# KiCad board stereoBoy_MGB.kicad_pcb
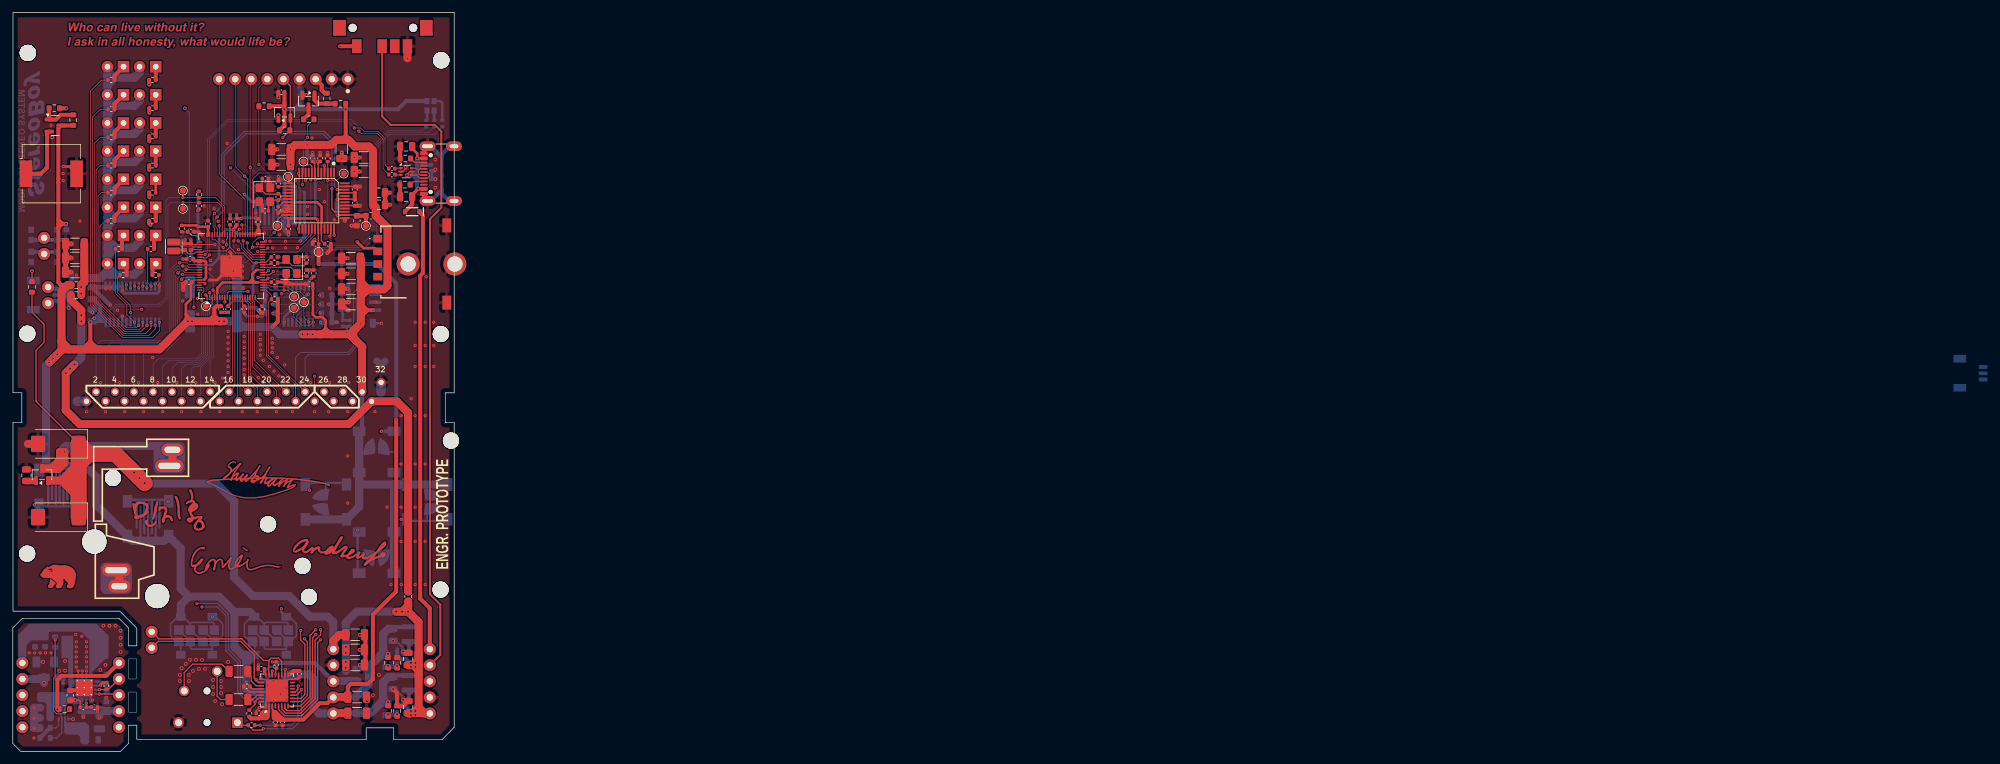
[diagram p0: board, top side]
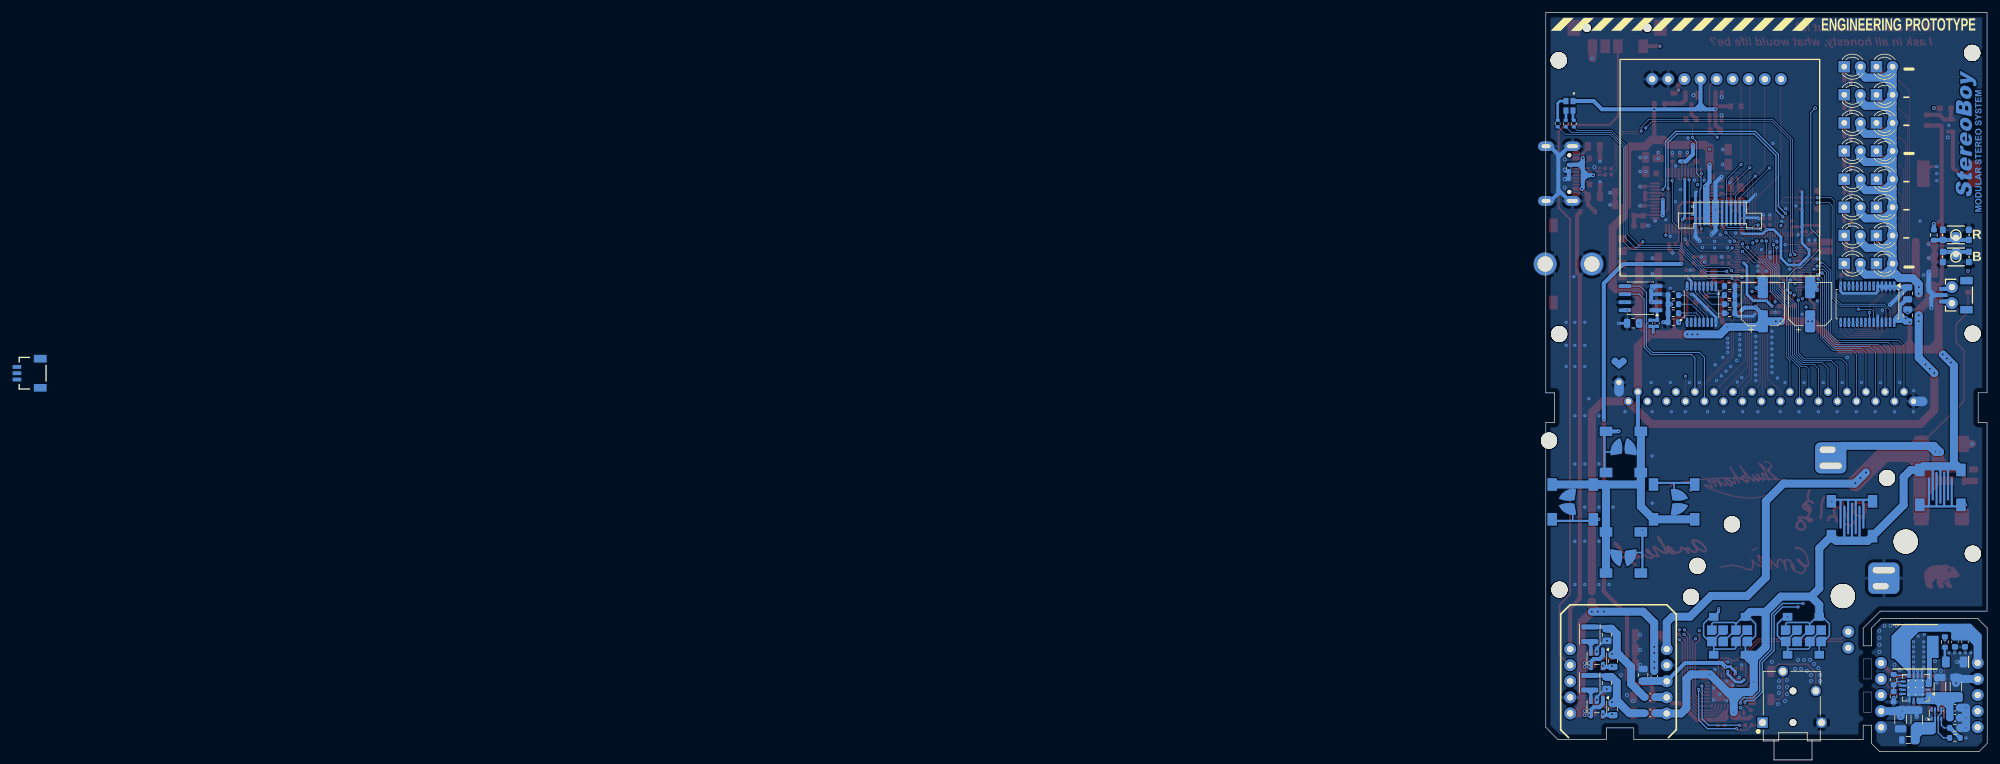
[diagram p1: board, bottom side, seen from below]

Outline 69.67 x 116.7 mm; copper layers: Top, In1.Cu, In2.Cu, Bottom. Coordinates in mm from the lower left corner of the outline.
Outline path: rectangle 18.27,14.61 19.54,11.43 ; rectangle 18.27,9.37 19.54,6.19 ; 0,19.5 0,1.25 1.25,0 17,0 18.25,1.25 18.25,4.13 19.57,4.13 19.57,1.9 55.78,1.9 55.78,3.71 60.12,3.71 60.12,1.9 67.8,1.9 69.67,3.81 69.67,51.93 68.27,51.93 68.27,56.63 69.67,56.63 69.67,116.7 0.02,116.7 0.02,56.65 1.42,56.65 1.42,51.95 0.02,51.95 0.02,22.15 16.88,22.15 19.57,19.45 19.57,16.67 18.25,16.67 18.25,19.5 16.75,21 1.5,21 0,19.5
Stack: Top 0.035mm / dielectric 0.1mm FR4 er 4.5 / In1.Cu 0.035mm / dielectric 0.64mm FR4 er 4.5 / In2.Cu 0.035mm / dielectric 0.1mm FR4 er 4.5 / Bottom 0.035mm

## Placement (name value [footprint] x y rotation side)
+0  -  [MGB+BATTERY4]  24.2 46.37 0 top
-0  -  [MGB-BATTERY4]  16.06 27.24 0 top
BTN_A1  GameBoy_ButtonPad  [GameBoy_A_B_Pad]  21.35 41.87 0 bottom
BTN_B1  GameBoy_ButtonPad  [GameBoy_A_B_Pad]  7.39 36.58 180 bottom
BTN_D1  GameBoy_ButtonPad  [GameBoy_DPad]  57.42 37.38 0 bottom
BTN_L1  GameBoy_ButtonPad  [GameBoy_DPad]  59.45 39.41 90 bottom
BTN_R1  GameBoy_ButtonPad  [GameBoy_DPad]  55.39 39.41 270 bottom
BTN_U1  GameBoy_ButtonPad  [GameBoy_DPad]  57.42 41.34 180 bottom
BZ1  Buzzer  [Buzzer_CUI_CPT-9019S-SMT]  6.08 91.25 0 top
C1  100uF  [CP_EIA-7343-15_Kemet-W_HandSolder]  7.19 36.99 180 top
C2  47uF  [CP_EIA-7343-15_Kemet-W_HandSolder]  7.19 48.58 180 top
C3  10pF  [C_0402_1005Metric]  39.86 90.49 180 top
C4  10pF  [C_0402_1005Metric]  39.86 85.41 0 top
C5  0.1uF  [C_0402_1005Metric]  66.05 92.19 90 bottom
C6  0.1uF  [C_0402_1005Metric]  30.81 83.35 270 top
C7  0.1uF  [C_0603_1608Metric]  5.08 5.29 180 bottom
C8  10uF  [C_1206_3216Metric]  11.13 5.02 90 bottom
C9  4.7uF  [C_0805_2012Metric]  62.4 14.61 90 top
C10  6.8pF  [C_0805_2012Metric]  59.07 6.67 270 bottom
C11  4.7uF  [C_0805_2012Metric]  62.4 6.99 90 top
C12  6.8pF  [C_0805_2012Metric]  59.07 14.28 270 bottom
C13  1.0uF  [C_0402_1005Metric]  36.93 10.25 0 top
C14  4.7uF  [C_0402_1005Metric]  28.12 82.07 0 top
C15  0.1uF  [C_0402_1005Metric]  46.84 73.82 0 top
C16  0.1uF  [C_0402_1005Metric]  27.79 74.14 180 top
C17  0.1uF  [C_0402_1005Metric]  32.88 69.85 270 top
C18  0.1uF  [C_0402_1005Metric]  36.53 69.85 270 top
C19  0.1uF  [C_0402_1005Metric]  41.29 74.14 0 top
C20  15pF  [C_0402_1005Metric]  46.37 75.56 270 top
C21  15pF  [C_0402_1005Metric]  46.35 77.63 270 top
C22  0.1uF  [C_0402_1005Metric]  41.29 78.11 0 top
C23  0.1uF  [C_0402_1005Metric]  34.3 83.68 90 top
C24  1.0uF  [C_0402_1005Metric]  42.56 4.6 90 top
C25  0.1uF  [C_0402_1005Metric]  33.99 69.85 270 top
C26  0.1uF  [C_0402_1005Metric]  47.79 80.17 0 top
C27  1.0uF  [C_0402_1005Metric]  41.92 89.69 270 top
C28  100uF  [C_0603_1608Metric]  9.06 8.87 90 top
C29  1.0uF  [C_0805_2012Metric]  12.55 72.36 270 bottom
C30  10uF  [C_0805_2012Metric]  60.02 10.8 270 bottom
C31  1.0uF  [C_0402_1005Metric]  41.45 4.6 90 top
C32  100uF  [C_1206_3216Metric]  35.62 12.63 180 top
C33  100uF  [C_1206_3216Metric]  35.62 8.19 0 top
C34  1.0uF  [C_1206_3216Metric]  54.04 18.41 180 top
C36  1.0uF  [C_0402_1005Metric]  45.26 12.23 90 top
C37  0.1uF  [C_0402_1005Metric]  49.71 80.17 180 top
C38  1.0uF  [C_0402_1005Metric]  48.51 93.68 270 top
C39  1.0uF  [C_0402_1005Metric]  43.51 82.55 90 top
C40  1.0uF  [C_0402_1005Metric]  47.32 93.68 270 top
C41  1.0uF  [C_0402_1005Metric]  38.9 6.03 0 top
C42  1.0uF  [C_1206_3216Metric]  13.67 5.03 90 bottom
C43  10uF  [CP_Elec_6.3x4.5]  27.95 70.64 90 bottom
C44  10uF  [CP_Elec_6.3x4.5]  35.41 70.64 90 bottom
C45  1.0uF  [C_1206_3216Metric]  9.81 77.95 0 top
C46  1.0uF  [C_1206_3216Metric]  53.37 77.91 0 top
C47  0.1uF  [C_0402_1005Metric]  38.75 83.67 90 top
C48  100uF  [C_1206_3216Metric]  7.47 10.21 90 bottom
C49  0.1uF  [C_0402_1005Metric]  53.99 86.67 270 top
C51  1.0uF  [C_1206_3216Metric]  53.37 75.46 0 top
C52  0.1uF  [C_0402_1005Metric]  42.4 104.14 180 top
C53  100uF  [C_1206_3216Metric]  54.04 16.03 180 top
C54  0.1uF  [C_0603_1608Metric]  54.31 83.84 270 top
C55  1.0uF  [C_1206_3216Metric]  53.37 73.06 0 top
C56  1.0uF  [C_1206_3216Metric]  9.81 80.17 0 top
C57  0.1uF  [C_0402_1005Metric]  35.35 83.69 90 top
C58  0.1uF  [C_0402_1005Metric]  52.08 67.63 90 bottom
C59  0.1uF  [C_0805_2012Metric]  55.9 67.63 0 bottom
C60  0.1uF  [C_0402_1005Metric]  53.19 67.63 90 bottom
C61  1.0uF  [C_0805_2012Metric]  57.8 86.36 180 top
C62  100uF  [C_1206_3216Metric]  4.94 10.21 90 bottom
C63  2.2uF  [C_0603_1608Metric]  5.08 6.88 180 bottom
C64  1.0uF  [C_0805_2012Metric]  12.54 68.86 90 bottom
C65  10uF  [C_0603_1608Metric]  5.09 17.28 270 bottom
C66  1.0uF  [C_1206_3216Metric]  55.37 93.82 0 top
C67  1.0uF  [C_1206_3216Metric]  55.37 91.6 0 top
C68  1.0uF  [C_0805_2012Metric]  62.09 87.63 180 top
C69  1.0uF  [C_0805_2012Metric]  57.79 88.27 180 top
C70  1.0uF  [C_1206_3216Metric]  53.37 70.66 0 top
C71  1.0uF  [C_0402_1005Metric]  41.92 85.56 90 top
C72  1.0uF  [C_1206_3216Metric]  42.35 95.09 0 top
C73  1.0uF  [C_1206_3216Metric]  42.35 92.71 0 top
C74  1.0uF  [C_1206_3216Metric]  51.92 95.14 90 top
C75  0.1uF  [C_0402_1005Metric]  53.99 88.75 90 top
C76  1.0uF  [C_0805_2012Metric]  62.09 95.57 180 top
C77  100uF  [C_1206_3216Metric]  54.04 13.65 0 top
C78  100uF  [C_1206_3216Metric]  54.35 6.03 0 top
C79  0.1uF  [C_0402_1005Metric]  27.95 77.79 180 top
C80  100uF  [C_1206_3216Metric]  54.35 8.57 0 top
C81  0.1uF  [WAi_0402_1005Metric]  28.11 79.69 270 top
C82  4.7uF  [WAi_0402_1005Metric]  27.16 79.69 90 top
C83  22.1uF  [C_0402_1005Metric]  39.22 13.02 180 top
C84  22.1uF  [C_0402_1005Metric]  41.61 13.66 90 top
C85  0.1uF  [C_0603_1608Metric]  3.51 17.28 270 bottom
C86  10uF  [C_0805_2012Metric]  60.02 18.41 270 bottom
C87  1.0uF  [C_0805_2012Metric]  54.31 12.06 270 bottom
C88  1.0uF  [C_1206_3216Metric]  9.81 75.72 0 top
D1  LED  [LED_D3.0mm]  22.56 108.17 180 bottom
D2  LED  [LED_D3.0mm]  22.56 103.73 180 bottom
D3  LED  [LED_D3.0mm]  22.56 99.28 180 bottom
D4  LED  [LED_D3.0mm]  22.56 94.84 180 bottom
D5  LED  [LED_D3.0mm]  22.56 90.39 180 bottom
D6  LED  [LED_D3.0mm]  22.56 85.95 180 bottom
D7  LED  [LED_D3.0mm]  22.56 81.5 180 bottom
D8  LED  [LED_D3.0mm]  22.56 77.06 180 bottom
D9  LED  [LED_D3.0mm]  17.48 108.17 180 bottom
D10  LED  [LED_D3.0mm]  17.48 103.73 180 bottom
D11  LED  [LED_D3.0mm]  17.48 99.28 180 bottom
D12  LED  [LED_D3.0mm]  17.48 94.84 180 bottom
D13  LED  [LED_D3.0mm]  17.48 90.39 180 bottom
D14  LED  [LED_D3.0mm]  17.48 85.95 180 bottom
D15  LED  [LED_D3.0mm]  17.48 81.5 180 bottom
D16  LED  [LED_D3.0mm]  17.48 77.06 180 bottom
D17  CLMVC-FKA-CL1D1L71BB7C3C3  [CREE_LED_2mm_x_2mm_Common_Anode]  65.94 101.99 270 bottom
D22  BAT60JFILM  [SOD-323]  63.04 85.26 180 top
D23  Green  [LED_1206_3216Metric_Green]  5.12 14.13 0 bottom
G***  -  [LOGO]  51.6 31.61 0 top
G***#2  -  [LOGO]  51.6 31.61 0 top
G***#3  -  [LOGO]  40.5 42.88 0 top
G***#4  -  [LOGO]  40.5 42.88 0 top
G***#5  -  [LOGO]  7.16 28 0 top
G***#6  -  [LOGO]  24.62 38.13 0 top
G***#7  -  [LOGO]  35.33 30.23 0 top
G***#8  -  [LOGO]  24.62 38.13 0 top
G***#9  -  [LOGO]  7.16 28 0 top
G***#10  -  [LOGO]  35.33 30.23 0 top
J1  Conn_01x12  [1.54_IPS_FPC_Solder]  42.19 85.09 180 bottom
J2  JST_1mm_3_Vertical  [JST_1x03_P1.0mm_Horizontal_SMD]  6.94 72.07 90 bottom
J2#2  JST_1mm_3_Vertical  [JST_1x03_P1.0mm_Horizontal_SMD]  311 59.74 90 bottom
J3  GameBoy_Cartridge  [MGB-CART-CONN]  0.23 53.62 0 top
J4  Conn_01x02  [1x02_P2.54mm]  4.95 81.12 270 top
J5  SJ-43514  [SJ_43514]  30.65 7.14 90 bottom
J6  Conn_01x09  [1x09_P2.54mm]  32.56 106.2 0 top
J7  USB_C_Receptacle_USB2.0_16P  [USB_C_Receptacle_GCT_USB4105-xx-A_16P_TopMnt_Horizontal]  68.57 91.28 90 top
J8  Conn_01x02  [1x02_P2.54mm]  5.57 73.34 270 top
J10  Conn_01x05  [1x05_P2.54mm]  16.75 3.81 90 top
J11  Conn_01x05  [1x05_P2.54mm]  1.51 3.81 90 top
J13  Conn_01x10  [StereoBoy_PSU]  58.21 12.34 180 bottom
L1  6.8uH  [Inductor_7.3x6.6mm]  11.37 16.51 0 bottom
L2  600Ω @ 100MHz  [C_0603_1608Metric]  53.18 6.03 180 bottom
L3  600Ω @ 100MHz  [L_0603_1608Metric]  52.56 11.9 90 bottom
L4  2.2uH  [L_APV_ANR3012]  62.73 10.83 90 bottom
L5  2.2uH  [L_APV_ANR3012]  62.72 18.51 90 bottom
L6  600Ω @ 100MHz  [C_0603_1608Metric]  53.18 8.57 180 bottom
L7  600Ω @ 100MHz  [L_0603_1608Metric]  62.4 24.45 270 top
L8  600Ω @ 100MHz  [C_0603_1608Metric]  56.51 84.61 180 top
L9  3.3uH  [L_Cenker_CKCS201610]  25.41 79.76 90 top
L10  600Ω @ 100MHz  [L_0805_2012Metric]  12.41 1.8 0 bottom
NOREF  -  [unnamed]  2.37 110.34 0 top
NOREF#2  -  [unnamed]  45.73 29.3 0 top
NOREF#3  -  [unnamed]  67.64 109.18 0 top
NOREF#4  -  [unnamed]  2.37 110.34 0 top
NOREF#5  -  [unnamed]  2.27 31.23 0 top
NOREF#6  -  [unnamed]  15.81 43.19 0 top
NOREF#7  -  [unnamed]  69.16 49.1 0 top
NOREF#8  -  [unnamed]  67.64 109.18 0 top
NOREF#9  -  [unnamed]  67.52 25.55 0 top
NOREF#10  -  [unnamed]  67.64 109.18 0 top
NOREF#11  -  [unnamed#2]  22.79 24.53 0 top
NOREF#12  -  [unnamed]  2.37 110.34 0 top
NOREF#13  -  [unnamed#2]  12.86 33.14 0 top
NOREF#14  -  [unnamed]  40.29 35.87 0 top
NOREF#15  -  [unnamed]  46.75 24.4 0 top
Q1  DMG2301L  [SOT-23]  6.68 98.87 0 top
Q2  FDN306P  [SOT-23]  4.62 43.71 90 top
Q3  BSS138  [SOT-23]  46.67 102.73 270 top
R1  500k  [R_0603_1608Metric]  14.78 11.33 270 bottom
R2  330  [R_0603_1608Metric]  6.55 101.6 180 top
R3  390k  [R_0603_1608Metric]  14.78 8.63 270 bottom
R4  1.62M  [C_0402_1005Metric]  11.13 6.99 0 top
R5  10k  [R_0603_1608Metric]  40.65 70.64 0 bottom
R6  10k  [R_0603_1608Metric]  40.65 69.22 0 bottom
R7  10k  [R_0603_1608Metric]  49.54 70.64 180 bottom
R8  10k  [R_0603_1608Metric]  49.54 69.22 180 bottom
R9  10k  [R_0603_1608Metric]  49.54 72.07 180 bottom
R10  10k  [R_0603_1608Metric]  49.54 67.79 180 bottom
R11  10k  [R_0603_1608Metric]  40.65 72.07 0 bottom
R12  10k  [R_0603_1608Metric]  40.65 73.5 0 bottom
R13  180k  [C_0402_1005Metric]  12.88 6.99 0 top
R14  27  [C_0402_1005Metric]  59.83 92.08 0 top
R15  27  [C_0402_1005Metric]  59.83 91.12 0 top
R16  5.1k  [R_0603_1608Metric]  61.89 89.54 180 top
R17  330  [R_0402_1005Metric]  65.26 99.19 270 bottom
R18  330  [R_0402_1005Metric]  66.53 99.19 270 bottom
R19  330  [R_0402_1005Metric]  67.8 99.19 270 bottom
R20  10k  [R_0603_1608Metric]  9.54 99.73 270 top
R21  0  [R_0603_1608Metric]  9.98 72.07 180 top
R22  0  [R_0603_1608Metric]  9.98 73.66 0 top
R23  0  [R_0603_1608Metric]  3.03 73.37 90 top
R24  10k  [R_0603_1608Metric]  39.67 101.92 180 top
R25  33  [R_0402_1005Metric]  26.68 82.58 270 top
R26  1k  [R_0402_1005Metric]  41.29 77.15 180 top
R27  10k  [R_0603_1608Metric]  8.43 81.57 90 bottom
R28  10  [R_0603_1608Metric]  46.72 99.85 0 top
R29  10k  [R_0603_1608Metric]  51.72 102.31 0 top
R30  10K  [R_0402_1005Metric]  37.32 6 270 top
R31  1k  [R_0603_1608Metric]  49.54 103.16 90 top
R32  220  [R_0402_1005Metric]  22.05 106.05 0 top
R33  5.1k  [R_0603_1608Metric]  61.96 93.66 180 top
R34  10k  [R_0603_1608Metric]  42.91 98.11 0 top
R35  453k  [R_0603_1608Metric]  59.23 6.38 270 top
R36  100k  [R_0603_1608Metric]  60.66 6.38 90 top
R37  200k  [R_0603_1608Metric]  59.23 14 270 top
R38  100k  [R_0603_1608Metric]  60.66 14 90 top
R39  10k  [R_0603_1608Metric]  8.14 6.67 180 top
R44  100k  [R_0805_2012Metric]  2.15 43.62 270 top
R45  2.2K  [R_0402_1005Metric]  29.38 87.98 90 top
R46  2.2K  [R_0402_1005Metric]  29.38 86.17 90 top
R47  2.2K  [R_0402_1005Metric]  39.38 69.82 270 top
R48  2.2K  [R_0402_1005Metric]  41.32 71.44 180 top
R49  1k  [R_0402_1005Metric]  47.48 75.53 90 top
R50  100K  [R_0402_1005Metric]  49.7 93.68 90 top
R51  1M  [R_0402_1005Metric]  41.92 87.6 90 top
R53  2.2k  [R_0402_1005Metric]  37.67 4.13 0 top
R54  10K  [R_0402_1005Metric]  14.78 10.35 90 top
R55  1.4M  [R_0603_1608Metric]  5.09 2.12 180 bottom
R56  1.4M  [R_0603_1608Metric]  5.09 3.71 180 bottom
R58  220  [R_0402_1005Metric]  22.05 101.6 0 top
R59  220  [R_0402_1005Metric]  22.05 97.16 0 top
R60  220  [R_0402_1005Metric]  22.05 92.55 0 top
R61  220  [R_0402_1005Metric]  22.05 88.27 0 top
R62  220  [R_0402_1005Metric]  22.05 83.82 0 top
R63  220  [R_0402_1005Metric]  21.8 79.38 0 top
R64  220  [R_0402_1005Metric]  22.56 75.25 180 top
R65  220  [R_0402_1005Metric]  15.54 106.05 0 top
R66  220  [R_0402_1005Metric]  15.54 101.44 0 top
R67  220  [R_0402_1005Metric]  15.54 97 0 top
R68  220  [R_0402_1005Metric]  15.54 92.55 0 top
R69  220  [R_0402_1005Metric]  15.54 88.27 0 top
R70  220  [R_0402_1005Metric]  15.54 83.82 0 top
R71  220  [R_0402_1005Metric]  16.72 79.38 0 top
R72  220  [R_0402_1005Metric]  17.44 75.25 0 top
R73  220  [R_0603_1608Metric]  6.68 17.27 90 bottom
SELECT1  SMD_6x3.5mm_h2.5mm  [GameBoy_Select_Start]  34.72 18.26 270 bottom
SPK_CONN1  Conn_01x02  [1x02]  21.92 16.35 90 top
START1  SMD_6x3.5mm_h2.5mm  [GameBoy_Select_Start]  46.38 18.26 270 bottom
SW1  SMD_4.6x2.8mm_h2.5mm  [Push_SMD_4.6x2.8mm_h2.5mm]  4.95 81.59 180 bottom
SW2  SMD_4.6x2.8mm_h2.5mm  [Push_SMD_4.6x2.8mm_h2.5mm]  4.95 78.11 0 bottom
SW3  MGB-SW1  [GBP_Power_Switch]  58.05 113.54 0 top
TP1  TestPoint_Alt  [TestPoint_Pad_D1.0mm]  26.84 85.73 270 top
TP2  TestPoint_Alt  [TestPoint_Pad_D1.0mm]  26.84 88.58 270 top
TP10  TestPoint_Alt  [TestPoint_Pad_D1.0mm]  55.73 83.03 0 top
TP12  TestPoint_Alt  [TestPoint_Pad_D1.0mm]  44.4 71.86 0 top
TP14  TestPoint  [TestPoint_Pad_D1.0mm]  30.49 70.33 0 top
TP23  TestPoint_Alt  [TestPoint_Pad_D1.0mm]  44.35 70.06 0 top
TP24  TestPoint_Alt  [TestPoint_Pad_D1.0mm]  45.95 70.96 0 top
TP26  TestPoint_Alt  [TestPoint_Pad_D1.0mm]  48.27 78.9 0 top
TP27  TestPoint_Alt  [TestPoint_Pad_D1.0mm]  52.24 91.28 0 top
TP31  TestPoint_Alt  [TestPoint_Pad_D1.0mm]  45.89 93.19 0 top
TP32  TestPoint_Alt  [TestPoint_Pad_D1.0mm]  43.44 90.77 0 top
TP33  TestPoint_Alt  [TestPoint_Pad_D1.0mm]  41.76 83.03 0 top
U1  CODECODER-VS1053B_LQFP48_  [VS1053b]  47.96 87 270 top
U2  PCA9685PW  [TSSOP-28_4.4x9.7mm_P0.65mm]  18.9 70.64 270 bottom
U3  TPS61090  [Texas_RSA_VQFN-16-1EP_4x4mm_P0.65mm_EP2.7x2.7mm_ThermalVias]  11.28 10.06 0 bottom
U4  TLV62569DBV  [SOT-23-5]  61.61 7.01 270 bottom
U5  APX803  [SOT-23]  42.88 100.98 90 top
U6  74HC165  [TSSOP-16_4.4x5mm_P0.65mm]  45.1 70.64 90 bottom
U7  TPS2116DRL  [SOT-583-8]  7.98 5.89 90 bottom
U8  TLV62569DBV  [SOT-23-5]  61.61 14.63 270 bottom
U10  TLV320AIC3100  [VQFN-32-1EP_5x5mm_P0.5mm_EP3.5x3.5mm]  41.7 9.62 90 top
U11  RP2350B  [QFN-80-1EP_10x10mm_P0.4mm_EP3.4x3.4mm]  34.46 76.68 90 top
U12  USBLC6-2P6  [SOT-666]  62.11 91.6 0 top
U14  FM24C64C  [SOIC-8_3.9x4.9mm_P1.27mm]  54.72 71.6 0 bottom
UNK_HOLE_0  -  [dummyfp0]  2.37 110.34 0 top
UNK_HOLE_1  -  [dummyfp1]  67.64 109.18 0 top
UNK_HOLE_4  -  [dummyfp4]  2.27 31.23 0 top
UNK_HOLE_5  -  [dummyfp5]  67.52 25.55 0 top
UNK_HOLE_6  -  [dummyfp6]  40.29 35.87 0 top
UNK_HOLE_7  -  [dummyfp7]  45.73 29.3 0 top
UNK_HOLE_8  -  [dummyfp8]  46.75 24.4 0 top
UNK_HOLE_9  -  [dummyfp9]  15.81 43.19 0 top
UNK_HOLE_10  -  [dummyfp10]  69.16 49.1 0 top
UNK_HOLE_11  -  [dummyfp11]  12.86 33.14 0 top
UNK_HOLE_12  -  [dummyfp12]  22.79 24.53 0 top
VR1  -  [RK10J11R0A0L]  66.6 76.99 270 top
Y1  12MHz  [Crystal_SMD_3225-4Pin_3.2x2.5mm]  39.76 87.94 270 top
Y2  12MHz  [Crystal_SMD_3225-4Pin_3.2x2.5mm]  44 76.61 90 top

## Library data of the parts
BTN_A1 BTN_B1 = -: Description: Single Pole Single Throw (SPST) switch; PARTREV: A; STANDARD: Manufacturer Recommendations; SNAPEDA_PN: 5134TR; MAXIMUM_PACKAGE_HEIGHT: 0.6mm; MANUFACTURER: Keystone Electronics; PROD_ID: SWCH-12265
BTN_D1 BTN_L1 BTN_R1 BTN_U1 = -: Description: Single Pole Single Throw (SPST) switch; PROD_ID: SWCH-12265
BZ1 = -: Description: Buzzer, polarized; ki_fp_filters: *Buzzer*
C1 C2 = -: Datasheet: https://www.vishay.com/docs/40002/293d.pdf; Description: Polarized tantalum capacitor; PROD_ID: CAP-08310; Voltage: 10V; Tolerance: 10%; ki_fp_filters: CP_*
C3 C4 = -: Datasheet: https://cdn.sparkfun.com/assets/8/a/4/a/5/Kemet_Capacitor_Datasheet.pdf; Description: Unpolarized capacitor; PROD_ID: CAP-25012; Voltage: 50V; Tolerance: 5%; ki_fp_filters: C_*
C5 C7-C13 C24 C28-C31 C34 C36 C41 C42 C45 C46 C48 C49 C51 C53-C56 C61-C64 C66-C70 C72-C78 C80 C86-C88 = -: Datasheet: https://cdn.sparkfun.com/assets/8/a/4/a/5/Kemet_Capacitor_Datasheet.pdf; Description: Unpolarized capacitor; PROD_ID: CAP-08064; Voltage: 25V; Tolerance: 10%; ki_fp_filters: C_*
C6 C14 C81 C82 = -: Description: Unpolarized capacitor, small symbol; ki_fp_filters: C_*
C15 C65 C85 = -: Datasheet: https://cdn.sparkfun.com/assets/8/a/4/a/5/Kemet_Capacitor_Datasheet.pdf; Description: Unpolarized capacitor; PROD_ID: CAP-00810; Voltage: 25V; Tolerance: 20%; ki_fp_filters: C_*
C16-C19 C22 C23 C25-C27 C37-C40 C47 C52 C57-C60 C71 C79 = -: Datasheet: https://cdn.sparkfun.com/assets/8/a/4/a/5/Kemet_Capacitor_Datasheet.pdf; Description: Unpolarized capacitor; PROD_ID: CAP-25565; Voltage: 16V; Tolerance: 10%; ki_fp_filters: C_*
C20 C21 = -: Datasheet: https://cdn.sparkfun.com/assets/8/a/4/a/5/Kemet_Capacitor_Datasheet.pdf; Description: Unpolarized capacitor; PROD_ID: CAP-08267; Voltage: 50V; Tolerance: 5%; ki_fp_filters: C_*
C32 C33 = -: Datasheet: https://mm.digikey.com/Volume0/opasdata/d220001/medias/docus/7134/c02e.pdf; Description: Unpolarized capacitor; PROD_ID: CAP-24990; Voltage: 10V; Tolerance: 20%; ki_fp_filters: C_*
C43 C44 = -: Datasheet: https://datasheets.kyocera-avx.com/tc-series.pdf; Description: Capacitor Tantalum 10uF 6.3V +/-20% 0603; PROD_ID: CAP-13210; Voltage: 6.3V; Tolerance: 20%; ki_fp_filters: CP_*
C83 C84 = -: Datasheet: https://cdn.sparkfun.com/assets/8/a/4/a/5/Kemet_Capacitor_Datasheet.pdf; Description: Unpolarized capacitor; PROD_ID: CAP-09989; Voltage: 50V; Tolerance: 5%; ki_fp_filters: C_*
D1-D16 = -: Description: Light emitting diode; PROD_ID: LED-; ki_fp_filters: LED* LED_SMD:* LED_THT:*
D17 = -: PARTREV: 14; STANDARD: Manufacturer Recommendations; MAXIMUM_PACKAGE_HEIGHT: 1 mm; MANUFACTURER: Cree Inc.
D22 = -: Datasheet: https://www.infineon.com/dgdl/bat60aseries.pdf?folderId=db3a304313d846880113def5812204a1&fileId=db3a304313d846880113def70c9304a9; Description: Schottky diode; PROD_ID: DIO-14072; IMax: 3A; VDrop: 0.28V; VMax: 10V; ki_fp_filters: TO-???* *_Diode_* *SingleDiode* D_*
D23 = -: Datasheet: https://www.inolux-corp.com/datasheet/SMDLED/Mono%20Color%20Top%20View/IN-S126AT%20Series_V1.0.pdf; Description: Light emitting diode; PROD_ID: DIO-09910; ki_fp_filters: LED* LED_SMD:* LED_THT:*
J1 J4 J6 J8 J10 J11 J13 = -: Description: Basic 0.1" PTH; ki_fp_filters: Connector*:*_1x??_*
J2 = -: Datasheet: http://www.4uconnector.com/online/object/4udrawing/07265.pdf; Description: 3 Pin 1mm JST Connector; PROD_ID: CONN-24642; ki_fp_filters: Connector*:*_1x??_*
J2#2 = -: Datasheet: http://www.4uconnector.com/online/object/4udrawing/07265.pdf; Description: 3 Pin 1mm JST Connector; PROD_ID: CONN-24642
J3 = -: Description: Game Boy cartridge edge connector; ki_fp_filters: GameBoy?Cartridge*P1.50mm*
J5 = -: MANUFACTURER: CUI INC; PART_REV: 1.04; STANDARD: MANUFACTURER RECOMMENDATIONS
J7 = -: Datasheet: https://www.usb.org/sites/default/files/documents/usb_type-c.zip; Description: USB 2.0-only 16P Type-C Receptacle connector; ki_fp_filters: USB*C*Receptacle*
L1 = -: Datasheet: https://productfinder.pulseelectronics.com/api/open/part-attachments/datasheet/BMRA000606306R8MA1; Description: Inductor; PROD_ID: AMPLH7020S-6R8MT; Current: 4.5A; ki_fp_filters: Choke_* *Coil* Inductor_* L_*
L2 L3 L6-L8 L10 = -: Datasheet: https://www.laird.com/sites/default/files/hz0805e601r-10-datasheet.pdf; Description: Inductor; PROD_ID: NDUC-25563; ki_fp_filters: Choke_* *Coil* Inductor_* L_*
L4 L5 = -: Datasheet: https://product.tdk.com/en/system/files?file=dam/doc/product/inductor/inductor/smd/catalog/inductor_commercial_decoupling_mlz2012_en.pdf; Description: Inductor; PROD_ID: XAL4020-222ME; Current: 5.5A; ki_fp_filters: Choke_* *Coil* Inductor_* L_*
L9 = -: Datasheet: https://abracon.com/datasheets/AOTA-B201610S3R3-101-T.pdf; Description: Inductor; PROD_ID: NDUC-23692; Current: 1.4A; ki_fp_filters: Choke_* *Coil* Inductor_* L_*
Q1 = -: Datasheet: https://www.diodes.com/assets/Datasheets/DMG2301L.pdf; Description: -3A Id, -20V Vds, P-Channel MOSFET, SOT-23; ki_fp_filters: SOT?23*
Q2 = -: Datasheet: https://www.onsemi.com/pub/Collateral/FDN340P-D.PDF; Description: -2A Id, -20V Vds, P-Channel MOSFET, 70mOhm Ron, SOT-23; ki_fp_filters: SOT?23*
Q3 = -: Datasheet: https://www.onsemi.com/pub/Collateral/BSS138-D.PDF; Description: 50V Vds, 0.22A Id, N-Channel MOSFET, SOT-23; ki_fp_filters: SOT?23*
R1 R3-R13 R16 R24 R26 R28 R29 R31 R33-R38 R44 R49 R54-R56 = -: Datasheet: https://www.vishay.com/docs/20035/dcrcwe3.pdf; Description: Resistor; PROD_ID: RES-07856; ki_fp_filters: R_*
R2 R17-R20 R25 R27 R45-R48 = -: Datasheet: https://www.vishay.com/docs/20035/dcrcwe3.pdf; Description: Resistor; PROD_ID: RES-00818; ki_fp_filters: R_*
R14 R15 = -: Datasheet: https://www.vishay.com/docs/20035/dcrcwe3.pdf; Description: Resistor; PROD_ID: RES-09334; ki_fp_filters: R_*
R21-R23 = -: Datasheet: https://industrial.panasonic.com/cdbs/www-data/pdf/RDN0000/AOA0000C313.pdf; Description: Resistor; PROD_ID: RES-08609; ki_fp_filters: R_*
R30 R50 R51 R53 = -: Datasheet: https://www.vishay.com/docs/20035/dcrcwe3.pdf; Description: Resistor; PROD_ID: RES-25018; ki_fp_filters: R_*
R32 R58-R72 = -: Datasheet: https://www.vishay.com/docs/20035/dcrcwe3.pdf; Description: Resistor; PROD_ID: RES-15348; ki_fp_filters: R_*
R39 R73 = -: Datasheet: https://www.vishay.com/docs/20035/dcrcwe3.pdf; Description: Resistor; PROD_ID: RES-07861; ki_fp_filters: R_*
SELECT1 START1 = -: Datasheet: https://www.sparkfun.com/datasheets/Components/1101.pdf; Description: Single Pole Single Throw (SPST) switch; PROD_ID: SWCH-14278; Mfg Part#: 8-004 SMD Button 8x3.6mm Height=2.5mm
SPK_CONN1 = -: Description: Generic connector, single row, 01x02, script generated (kicad-library-utils/schlib/autogen/connector/); ki_fp_filters: Connector*:*_1x??_*
SW1 SW2 = -: Description: Single Pole Single Throw (SPST) switch; PROD_ID: SWCH-15606
TP1 TP2 TP10 TP12 TP23 TP24 TP26 TP27 TP31-TP33 = -: Description: test point (alternative shape); ki_fp_filters: Pin* Test*